# Altium PCB HIVE_BOARD_PCB ASCII REV Project_PCB_Rev.Project_SCH_Rev.PcbDoc (part 7 of 9)
Units mm, origin at the board's own origin, x right, y up, seen from the top; angles counter-clockwise.
Board outline 110 x 110 mm, 8 copper layers (Top, GND_1, Signal_1, GND_2, PWR, Signal_2, GND_3, Bottom), stack 1.6 mm thick; 674 components, 474 nets, 2528 pads, 2100 vias.
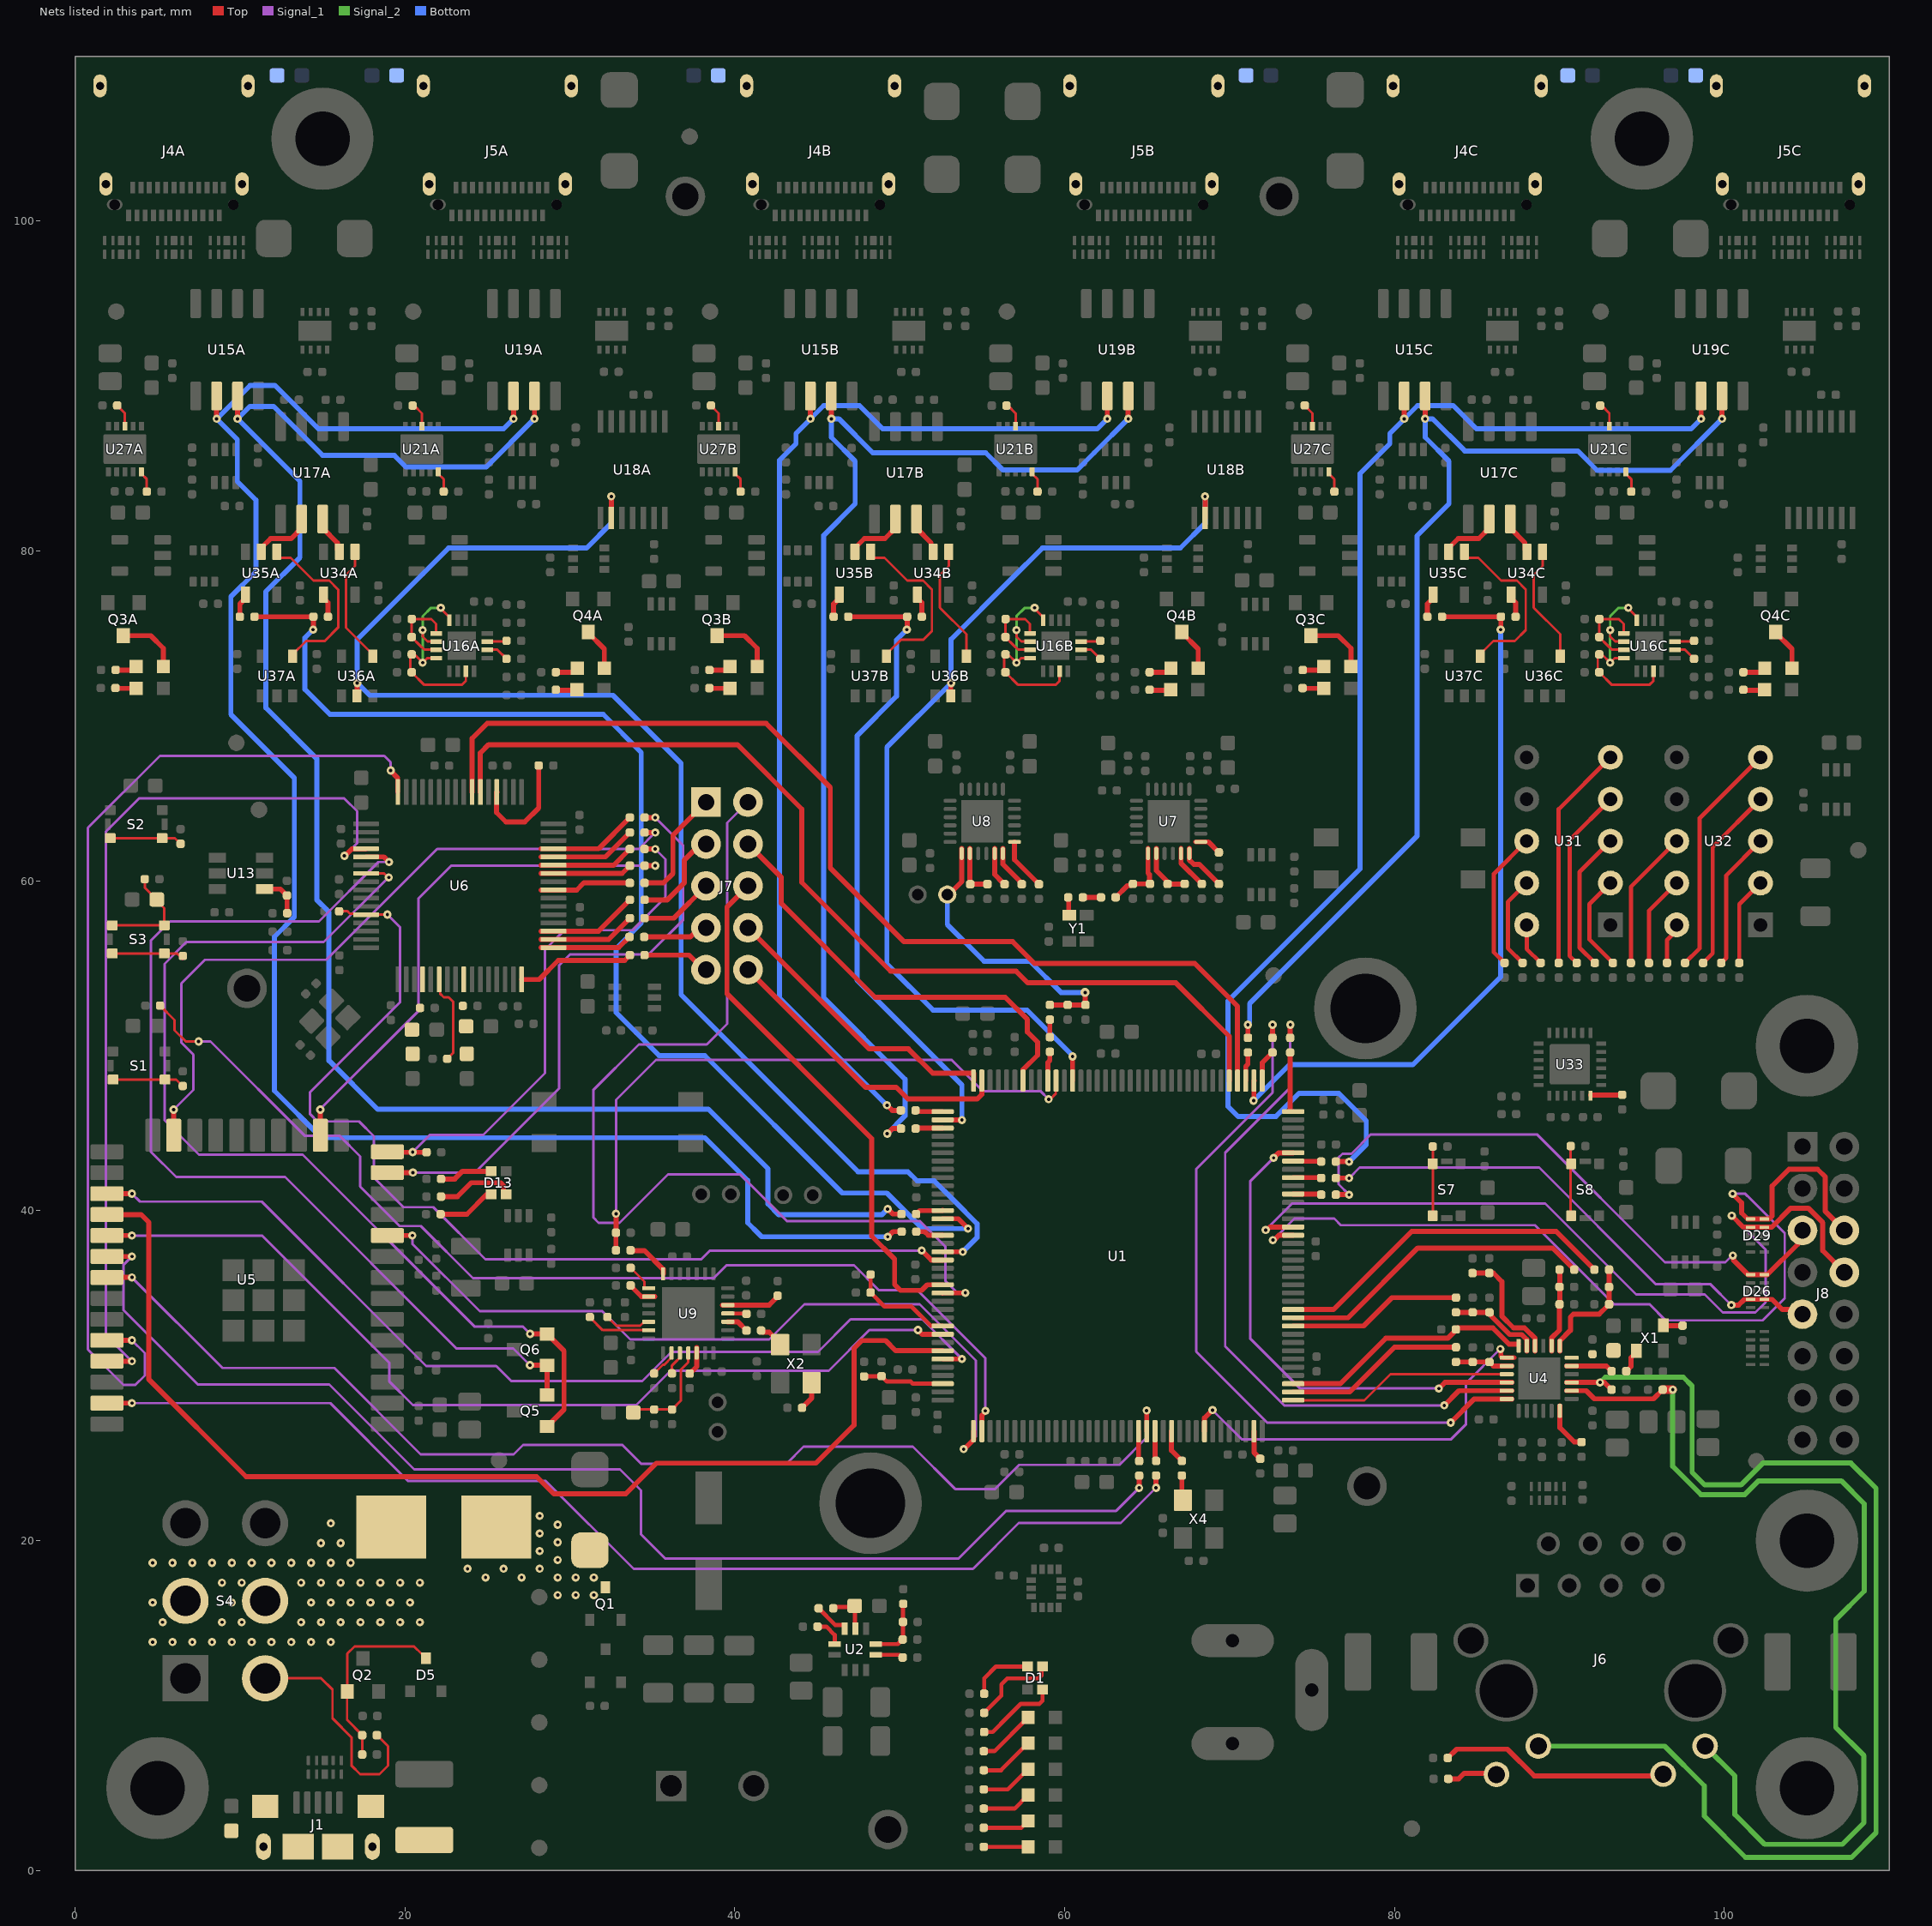
[diagram p13: the nets of this part, all layers, seen from the top]

## Via types
v1: diameter 0.5, hole 0.2, Top to Bottom, tented both sides, 1950 vias
v2: diameter 0.55, hole 0.2, Top to Bottom, tented both sides, 104 vias
v3: diameter 0.5, hole 0.2, Top to Bottom, 41 vias
v4: diameter 0.5, hole 0.2, Top to Bottom, tented bottom, 5 vias

## Nets (pads, with @x,y where several pads share a name; then routed paths per layer and width w, separated by ;. In a path a pad name is that pad's centre, name@x,y a point inside that pad or via, vN(x,y) a via of type N, cw(c..) or ccw(c..) an arc to the next point about the centre after c; other vN are vias at no path point) (continued)
MEZ_SPI_MOSI: D26.4 D26.7 J8.9 R173.2 | length 32.5
  Top w0.305: R173.2@76.441,41.986 v1@77.236,41.986 ; v1(100.416,34.284) 100.863,34.284 101.211,34.632 D26.4@101.582,34.632 D26.7@102.417,34.632 102.889,34.632 103.504,34.016 104.444,34.016 J8.9@104.73,33.73
  Signal_1 w0.152: v1(77.245,41.978) 77.885,42.618 88.766,42.618 95.84,35.544 99.156,35.544 v1(100.416,34.284)
MEZ_SPI_SCK: D26.1 D26.10 J8.5 R172.2 | length 37.4
  Top w0.305: R172.2@76.441,40.98 v1@77.236,40.98 ; v1(100.508,37.287) 100.555,37.24 100.555,37 101.423,36.132 D26.1@101.582,36.132 D26.10@102.417,36.132 102.603,36.132 104.444,37.972 104.444,38.524 J8.5@104.73,38.81
  Signal_1 w0.152: v1(77.245,40.971) 76.611,41.605 76.611,43.228 76.838,43.456 77.386,43.456 78.562,44.632 88.631,44.632 96.383,36.879 100.057,36.879 100.464,37.287 v1(100.508,37.287)
MEZ_UART_Rx: D29.1 D29.10 J8.6 U1.57 | length 57
  Top w0.305: v1(72.622,38.221) 72.688,38.221 72.979,38.512 73.849,38.512 U1.57@73.851,38.514 ; v1(100.498,41.028) 101.045,40.482 101.045,39.865 101.409,39.5 D29.1@101.582,39.5 D29.10@102.417,39.5 102.711,39.5 102.89,39.679 102.89,41.497 103.913,42.52 105.643,42.52 106.116,42.047 106.116,39.964 J8.6@107.27,38.81
  Signal_1 w0.152: v1(72.622,38.221) 73.923,39.522 76.341,39.522 76.736,39.127 88.514,39.127 93.3,34.341 95.446,34.341 96.432,33.355 102.313,33.355 103.563,34.605 103.652,34.694 103.652,38.638 101.556,40.734 101.262,41.028 v1(100.498,41.028)
MEZ_UART_Tx: D29.2 D29.9 J8.8 U1.58 | length 52
  Top w0.305: v1(72.185,38.835) 72.252,38.835 72.431,39.014 U1.58@73.851,39.014 ; v1(100.44,39.707) 101.147,39 D29.2@101.582,39 D29.9@102.417,39 102.856,39 104.015,40.16 105.076,40.16 105.961,39.275 105.961,37.579 J8.8@107.27,36.27
  Signal_1 w0.152: v1(72.185,38.835) 73.784,40.433 89.137,40.433 94.645,34.925 98.804,34.925 99.899,33.831 101.876,33.831 102.498,34.452 102.498,37.65 v1(100.44,39.707)
MODE0: R18.1 R53.1 R157.2 U4.8 | length 5.1
  Top w0.305: U4.8@89.519,31.496 89.519,32.293 89.999,32.773 R53.1@89.999,34.33 ; R53.1@90.013,34.33 90.013,35.384 R18.1@90.013,36.431
MODE1: R19.1 R58.1 R158.2 U4.7 | length 7.1
  Top w0.305: U4.7@90.019,31.496 90.019,32.107 90.663,32.751 90.663,33.553 90.841,33.731 92.403,33.731 92.901,34.229 92.905,34.229 R58.1@93.006,34.33 R158.2@93.004,35.379 93.004,36.429 R19.1@93.002,36.431
MODE2: R47.1 R60.1 R159.2 U4.11 | length 5.7
  Top w0.305: R47.1@83.721,33.845 R47.1@83.721,33.845 R159.2@85.752,33.843 R159.2@85.752,33.843 85.854,33.741 85.854,33.628 86.983,32.499 87.709,32.499 88.017,32.191 88.017,31.812 U4.11@88.019,31.809 U4.11@88.019,31.496
NetC4_1: C4.1 R8.1 S3.3 S3.4 | length 6.3
  Top w0.152: S3.4@2.258,57.305 S3.3@5.408,57.305 5.408,58.343 C4.1@4.992,58.759 ; R8.1@4.225,60.105 4.225,59.592 4.946,58.871 C4.1@4.959,58.871
NetC26_1: C26.1 R15.1 R26.2 U2.7 | length 3.9
  Top w0.254: U2.7@48.554,13.731 49.885,13.731 50.162,14.008 R15.1@50.176,14.008 50.194,14.026 50.194,16.152 R26.2@50.212,16.17
NetC37_1: C37.1 R24.2 U2.9 | length 2.8
  Top w0.254: R24.2@45.968,15.9 46.044,15.976 47.187,15.976 C37.1@47.263,16.052 47.283,16.032 47.283,14.676 U2.9@47.304,14.656
NetC47_2: C47.2 U9.9 | length 1.8
  Top w0.305: C47.2@33.623,35.473 33.724,35.372 33.767,35.372 34.341,34.798 U9.9@35.155,34.798
NetC48_2: C48.2 U9.25 | length 1.1
  Top w0.254: U9.25@39.579,33.778 39.85,33.778 39.855,33.773 40.68,33.773 C48.2@40.707,33.746
NetC54_2: C54.2 C56.2 U4.6
NetC80_1: C80.1 C81.2 L4.2 U6.4
NetC82_1: C82.1 C83.2 L6.2 U6.9
NetC86_1: C86.1 R7.2 R20.1 U9.18 | length 6.3
  Top w0.152: C86.1@33.844,27.765 34.032,27.952 R7.2@36.191,27.952 36.735,28.496 36.735,30.369 37.179,30.813 U9.18@37.179,31.377
NetC94_1: C94.1 R81.1 R84.2 U7.7 | length 4.5
  Top w0.305: C94.1@63.039,59.029 C94.1@63.09,58.978 ; C94.1@63.09,59.003 63.802,59.715 64.033,59.715 R81.1@64.135,59.817 R81.1@64.135,59.817 R84.2@65.171,59.819 ; U7.7@65.054,61.965 U7.7@65.054,61.663 65.054,60.473 65.136,60.391 R84.2@65.136,59.993
NetC94_2: C94.2 R82.1 | length 1.1
  Top w0.305: R82.1@61.099,59.003 61.112,58.991 62.188,58.991 C94.2@62.201,58.978
NetD1_1: D1.1 R1.1 | length 5
  Top w0.254: R1.1@55.119,8.399 55.633,8.399 56.556,9.322 57.345,10.111 58.477,10.111 58.656,10.289 D1.1@58.656,10.973
NetD1_2: D1.2 R2.1 | length 5.4
  Top w0.254: R2.1@55.119,9.56 56.159,10.6 56.159,11.287 56.52,11.648 58.409,11.648 58.583,11.822 58.583,12.301 D1.2@58.656,12.373
NetD1_4: D1.4 R3.1 | length 3.9
  Top w0.254: R3.1@55.119,10.721 55.119,11.657 55.836,12.373 D1.4@57.756,12.373
NetD3_1: D3.1 F1.2 Q1.3
  other v1: 29.263,16.697 30.356,16.697 31.45,16.697 24.888,17.765 27.076,17.765 29.263,17.765 30.356,17.765 31.45,17.765 23.795,18.299 25.982,18.299 28.169,18.299 29.263,18.833 28.169,19.367 29.263,19.9 28.169,20.434 29.263,20.968 28.169,21.502
NetD4_A: D4.A R11.2 | length 2.7
  Top w0.254: R11.2@55.095,1.435 D4.A@57.783,1.435
NetD5_3: D5.3 Q2.1 R13.1 R14.2 | length 11.7
  Top w0.152: R14.2@17.405,7.143 17.406,7.144 17.406,8.218 17.407,8.219 16.491,9.135 16.491,10.848 Q2.1@16.505,10.861 16.505,13.152 16.942,13.589 20.551,13.589 20.999,13.142 21.049,13.142 21.272,12.918 D5.3@21.272,12.868
NetD6_A: D6.A R25.1 | length 2.9
  Top w0.254: R25.1@55.093,2.596 57.372,2.596 D6.A@57.783,3.006
NetD13_1: D13.1 R40.1 | length 3
  Top w0.305: R40.1@22.192,41.928 23.023,41.928 23.49,42.395 D13.1@24.982,42.395
NetD13_2: D13.2 R46.1 | length 3.3
  Top w0.305: R46.1@22.166,39.792 23.754,39.792 24.957,40.995 D13.2@24.982,40.995
NetD13_4: D13.4 R63.1 | length 4.8
  Top w0.305: R63.1@22.192,40.86 23.183,40.86 24.022,41.699 25.803,41.699 25.981,41.521 25.981,41.154 D13.4@26.129,41.007
NetD14A_A: D14A.A R115A.1 | length 1.4
  Top w0.305: R115A.1@2.351,71.674 3.697,71.674 D14A.A@3.705,71.666 ; R115A.1@2.447,71.697 R115A.1@2.455,71.689
NetD14B_A: D14B.A R115B.1 | length 1.4
  Top w0.305: R115B.1@38.351,71.674 39.697,71.674 D14B.A@39.705,71.666 ; R115B.1@38.453,71.689 R115B.1@38.461,71.681
NetD14C_A: D14C.A R115C.1 | length 1.4
  Top w0.305: R115C.1@74.351,71.674 75.697,71.674 D14C.A@75.705,71.666 ; R115C.1@74.421,71.688 R115C.1@74.428,71.68
NetD17A_A: D17A.A R77A.1 | length 1.4
  Top w0.305: R77A.1@2.356,72.778 3.484,72.778 D17A.A@3.705,73
NetD17A_K: D17A.K Q3A.3 | length 3.8
  Top w0.305: Q3A.3@2.933,74.87 4.585,74.87 5.355,74.1 D17A.K@5.355,73
NetD17B_A: D17B.A R77B.1 | length 1.4
  Top w0.305: R77B.1@38.356,72.778 39.484,72.778 D17B.A@39.705,73
NetD17B_K: D17B.K Q3B.3 | length 3.8
  Top w0.305: Q3B.3@38.933,74.87 40.585,74.87 41.355,74.1 D17B.K@41.355,73
NetD17C_A: D17C.A R77C.1 | length 1.4
  Top w0.305: R77C.1@74.356,72.778 75.484,72.778 D17C.A@75.705,73
NetD17C_K: D17C.K Q3C.3 | length 3.8
  Top w0.305: Q3C.3@74.933,74.87 76.585,74.87 77.355,74.1 D17C.K@77.355,73
NetD19A_A: D19A.A R110A.1 | length 1.4
  Top w0.305: R110A.1@29.148,72.651 30.276,72.651 D19A.A@30.497,72.873
NetD19A_K: D19A.K Q4A.3 | length 2.6
  Top w0.305: Q4A.3@31.112,75.091 31.112,75.041 32.092,74.061 D19A.K@32.092,72.898
NetD19B_A: D19B.A R110B.1 | length 1.4
  Top w0.305: R110B.1@65.148,72.651 66.276,72.651 D19B.A@66.497,72.873
NetD19B_K: D19B.K Q4B.3 | length 2.6
  Top w0.305: Q4B.3@67.112,75.091 67.112,75.041 68.092,74.061 D19B.K@68.092,72.898
NetD19C_A: D19C.A R110C.1 | length 1.4
  Top w0.305: R110C.1@101.148,72.651 102.276,72.651 D19C.A@102.497,72.873
NetD19C_K: D19C.K Q4C.3 | length 2.6
  Top w0.305: Q4C.3@103.112,75.091 103.112,75.041 104.092,74.061 D19C.K@104.092,72.898
NetD20A_A: D20A.A R123A.1 | length 1.4
  Top w0.305: R123A.1@29.135,71.555 29.143,71.547 30.489,71.547 D20A.A@30.497,71.539
NetD20B_A: D20B.A R123B.1 | length 1.4
  Top w0.305: R123B.1@65.135,71.555 65.143,71.547 66.489,71.547 D20B.A@66.497,71.539
NetD20C_A: D20C.A R123C.1 | length 1.4
  Top w0.305: R123C.1@101.135,71.555 101.143,71.547 102.489,71.547 D20C.A@102.497,71.539
NetD22_A: D22.A R5.2 | length 3.4
  Top w0.254: R5.2@55.095,6.078 56.142,6.078 D22.A@57.783,7.719
NetD23_A: D23.A R23.2 | length 3.2
  Top w0.254: R23.2@55.095,4.917 56.552,4.917 D23.A@57.783,6.148
NetD24_A: D24.A R33.2 | length 3
  Top w0.254: R33.2@55.095,3.757 56.962,3.757 D24.A@57.783,4.577
NetD25_A: D25.A R129.2 | length 3.5
  Top w0.254: R129.2@55.095,7.239 55.736,7.239 D25.A@57.786,9.289
NetF1_1: F1.1 S4.2 S4.5
  other v1: 4.706,13.852 5.906,13.852 7.106,13.852 8.306,13.852 9.506,13.852 10.706,13.852 11.906,13.852 13.106,13.852 14.306,13.852 15.506,13.852 5.306,15.052 8.906,15.052 10.106,15.052 13.706,15.052 14.906,15.052 16.106,15.052 17.306,15.052 18.506,15.052 19.706,15.052 20.906,15.052 4.706,16.252 9.506,16.252 14.306,16.252 15.506,16.252 16.706,16.252 17.906,16.252 19.106,16.252 20.306,16.252 8.906,17.452 10.106,17.452 13.706,17.452 14.906,17.452 16.106,17.452 17.306,17.452 18.506,17.452 19.706,17.452 20.906,17.452 4.706,18.652 5.906,18.652 7.106,18.652 8.306,18.652 9.506,18.652 10.706,18.652 11.906,18.652 13.106,18.652 14.306,18.652 15.506,18.652 16.706,18.652 14.906,19.852 16.106,19.852 15.506,21.052
NetJ4A_1: J4A.1 J4A.2 J4A.3 J4A.4 R154A.2
NetJ4B_1: J4B.1 J4B.2 J4B.3 J4B.4 R154B.2
NetJ4C_1: J4C.1 J4C.2 J4C.3 J4C.4 R154C.2
NetJ5A_1: J5A.1 J5A.2 J5A.3 J5A.4 R155A.2
NetJ5B_1: J5B.1 J5B.2 J5B.3 J5B.4 R155B.2
NetJ5C_1: J5C.1 J5C.2 J5C.3 J5C.4 R155C.2
NetJ6_9: J6.9 R51.2 | length 3.1
  Top w0.305: R51.2@83.254,5.56 83.881,5.56 84.218,5.897 86.101,5.897 J6.9@86.175,5.824
NetJ6_11: J6.11 R49.2 | length 14
  Top w0.305: R49.2@83.223,6.824 83.761,7.362 86.842,7.362 88.46,5.744 96.185,5.744 J6.11@96.285,5.844
NetJ7_1: J7.1 R79.1 | length 7.1
  Top w0.305: R79.1@34.524,59.879 35.68,59.879 36.247,60.447 36.247,62.765 J7.1@38.259,64.777
NetJ7_2: J7.2 U1.131 | length 61
  Top w0.305: U1.131@52.599,35.012 U1.131@52.601,35.014 52.604,35.017 53.974,35.017 v1(53.98,35.023)
  Signal_1 w0.152: J7.2@40.799,64.777 39.541,63.519 39.541,51.331 38.298,50.088 34.183,50.088 31.415,47.32 31.415,39.6 31.745,39.271 33.016,39.271 35.953,42.207 40.333,42.207 43.175,39.365 51.228,39.365 52.761,37.833 52.761,35.759 53.476,35.043 53.96,35.043 v1(53.98,35.023)
NetJ7_3: J7.3 R54.1 | length 5.9
  Top w0.305: R54.1@34.528,58.851 35.906,58.851 36.929,59.874 36.929,61.252 37.914,62.237 J7.3@38.259,62.237
NetJ7_4: J7.4 U1.102 | length 26.6
  Top w0.305: J7.4@40.799,62.237 42.822,60.214 42.822,58.631 48.508,52.945 56.395,52.945 57.742,51.598 57.742,50.839 58.353,50.228 58.353,49.438 57.476,48.561 U1.102@57.476,47.889
NetJ7_5: J7.5 R37.1 | length 4.5
  Top w0.305: R37.1@34.528,57.741 36.303,57.741 J7.5@38.259,59.697
NetJ7_6: J7.6 U1.130 | length 32.1
  Top w0.305: J7.6@40.799,59.697 39.522,58.42 39.522,53.156 48.299,44.379 48.299,38.462 49.689,37.072 49.689,35.528 50.044,35.173 51.332,35.173 51.671,35.512 52.599,35.512 U1.130@52.601,35.514
NetJ7_7: J7.7 R32.1 | length 4
  Top w0.305: R32.1@34.503,56.601 37.299,56.601 37.854,57.157 J7.7@38.259,57.157
NetJ7_8: J7.8 U1.108 | length 17.8
  Top w0.305: J7.8@40.799,57.157 48.141,49.814 50.525,49.814 52.002,48.337 54.474,48.337 54.476,48.334 U1.108@54.476,47.889
NetJ7_9: J7.9 R31.1 | length 4.1
  Top w0.305: R31.1@34.528,55.502 37.224,55.502 38.11,54.617 J7.9@38.259,54.617
NetJ7_10: J7.10 U1.107 | length 18.4
  Top w0.305: J7.10@40.799,54.617 44.093,51.323 47.925,47.491 49.781,47.491 50.494,46.778 54.698,46.778 54.974,47.054 54.974,47.887 U1.107@54.976,47.889
NetQ5_1: Q5.1 Q6.2 U6.55 | length 61.8
  Top w0.152: U6.55@17.641,60.452 18.731,60.452 18.974,60.21 v1(19.02,60.21)
  Top w0.305: v1@27.592,32.529 Q6.2@28.623,32.529 28.673,32.529 28.921,32.281 28.921,32.231 29.649,31.503 29.649,27.948 28.921,27.22 28.921,27.17 28.673,26.923 Q5.1@28.623,26.923
  Signal_1 w0.152: v1@18.997,60.21 15.075,56.289 6.749,56.289 5.427,54.966 5.427,45.482 7.508,43.4 13.801,43.4 24.214,32.987 27.134,32.987 v1(27.587,32.534)
NetQ5_2: Q5.2 Q6.1 U6.53 | length 61.9
  Top w0.305: U6.53@17.641,61.452 18.723,61.452 v1(19.032,61.143) ; v1(27.582,30.638) 27.587,30.634 28.619,30.634 Q6.1@28.623,30.629 Q5.2@28.623,28.823
  Signal_1 w0.152: v1(19.032,61.143) 18.387,61.143 14.791,57.547 5.764,57.547 4.59,56.372 4.59,43.588 6.134,42.044 12.731,42.044 23.122,31.653 26.568,31.653 v1(27.582,30.638)
NetR4_2: R4.2 U9.17 | length 1.4
  Top w0.152: R4.2@36.191,30.141 36.191,30.623 36.406,30.838 ; 36.406,30.838 36.671,31.102 U9.17@36.671,31.377
NetR6_2: R6.2 U9.13 | length 3.9
  Top w0.152: R6.2@31.215,33.536 31.989,32.762 U9.13@34.778,32.762
NetR9_2: R9.2 S3.1 S3.2 | length 4.4
  Top w0.152: S3.2@2.258,55.605 S3.1@5.408,55.605 6.182,55.605 R9.2@6.523,55.264
NetR13_2: R13.2 S4.4 | length 14.2
  Top w0.152: S4.4@11.522,11.653 14.923,11.653 15.609,10.968 15.609,9.228 16.755,8.081 16.755,6.369 17.282,5.842 18.456,5.842 18.978,6.364 18.978,7.537 R13.2@18.296,8.219
NetR16_1: R16.1 U9.7 | length 2.7
  Top w0.305: R16.1@33.671,37.582 34.526,37.582 35.655,36.453 U9.7@35.655,36.178
NetR16_2: R16.2 R17.1 U1.98 | length 38.7
  Top w0.152: v1(59.03,46.761) 59.123,46.761 59.464,47.102 59.464,47.877 U1.98@59.476,47.889
  Top w0.305: R16.2@32.782,37.582 32.789,37.588 32.789,38.667 R17.1@32.795,38.674 32.797,38.676 32.797,39.821 v1(32.799,39.823)
  Signal_1 w0.152: v1(32.799,39.823) 32.799,46.728 35.216,49.145 53.148,49.145 55.032,47.26 58.531,47.26 v1(59.03,46.761)
NetR18_2: R18.2 U1.47 | length 19.3
  Top w0.305: U1.47@73.851,33.514 77.18,33.514 81.408,37.743 89.581,37.743 R18.2@90.892,36.431
NetR19_2: R19.2 U1.48 | length 21.2
  Top w0.305: U1.48@73.851,34.014 76.302,34.014 81.036,38.749 89.796,38.749 R19.2@92.113,36.431
NetR21_1: R21.1 U2.1 | length 1.8
  Top w0.254: R21.1@45.018,14.787 45.552,14.787 46.054,14.285 U2.1@46.054,13.731
NetR22_2: R22.2 U2.6 | length 1.7
  Top w0.254: U2.6@48.554,13.081 49.996,13.081 50.162,12.915 R22.2@50.176,12.915
NetR24_1: R24.1 U2.10 | length 2.2
  Top w0.254: R24.1@45.079,15.9 46.098,14.881 46.606,14.881 46.654,14.833 U2.10@46.654,14.656
NetR29_2: R29.2 X2.1 | length 1.8
  Top w0.305: R29.2@44.079,28.058 44.651,28.63 X2.1@44.651,29.576
NetR31_2: R31.2 U6.16 | length 7.2
  Top w0.305: U6.16@27.071,54.022 28.139,54.022 29.299,55.183 33.319,55.183 R31.2@33.639,55.502
NetR32_2: R32.2 U6.17 | length 5.6
  Top w0.305: U6.17@28.242,55.952 U6.17@28.989,55.952 ; U6.17@29.001,55.952 32.965,55.952 R32.2@33.614,56.601
NetR34_1: R34.1 U9.16 | length 1.7
  Top w0.152: R34.1@35.109,30.139 35.642,30.672 35.732,30.672 36.163,31.102 U9.16@36.163,31.377
NetR35_2: R35.2 U9.8 | length 1.8
  Top w0.152: R35.2@33.684,36.54 34.517,35.707 34.517,35.35 34.566,35.302 U9.8@34.778,35.302
NetR36_2: R36.2 U9.12 | length 2.8
  Top w0.152: R36.2@32.276,33.558 32.801,33.033 34.266,33.033 34.503,33.27 U9.12@34.778,33.27
NetR37_2: R37.2 U6.18 | length 5.9
  Top w0.305: U6.18@28.242,56.452 U6.18@28.989,56.452 ; U6.18@29.001,56.452 32.35,56.452 R37.2@33.639,57.741
NetR38_2: R38.2 U1.2 | length 65.5
  Top w0.152: R38.2@5.156,52.439 6.034,51.561 6.034,50.945 6.716,50.263 v1(7.49,50.263)
  Top w0.305: U1.2@54.976,26.639 54.979,26.642 54.979,27.593 55.192,27.806 v1(55.192,27.873)
  Signal_1 w0.152: v1(7.49,50.263) 8.209,50.263 13.918,44.555 16.025,44.555 17.285,43.295 17.285,41.468 19.678,39.075 20.965,39.075 24.129,35.912 38.717,35.912 39.494,36.69 47.231,36.69 48.742,35.179 51.079,35.179 55.192,31.066 v1(55.192,27.873)
NetR39_2: R39.2 S1.1 S1.2 | length 4.4
  Top w0.152: S1.2@2.305,47.955 S1.1@5.455,47.955 6.139,47.955 R39.2@6.53,47.565
NetR45_1: R45.1 U1.39 U4.12 | length 15.5
  Top w0.305: U1.39@73.851,29.514 76.711,29.514 79.464,32.268 83.228,32.268 83.742,32.783 83.742,32.817 83.819,32.893 85.96,32.893 86.938,31.915 U4.12@87.492,31.915
NetR47_2: R47.2 U1.46 | length 10.6
  Top w0.305: U1.46@73.851,33.014 78.125,33.014 79.845,34.734 R47.2@83.721,34.734
NetR48_2: R48.2 U1.38 | length 11
  Top w0.305: U1.38@73.851,29.014 77.284,29.014 79.996,31.726 R48.2@83.721,31.726
NetR50_2: R50.2 U4.24 | length 3
  Top w0.305: U4.24@90.019,28.186 90.019,26.851 90.888,25.983 91.233,25.983 91.242,25.974 R50.2@91.335,25.974
NetR52_2: R52.2 U9.26 | length 3.6
  Top w0.305: U9.26@39.25,34.286 U9.26@39.579,34.286 42.081,34.286 42.494,34.699 42.494,34.746 R52.2@42.596,34.848
NetR54_2: R54.2 U6.19 | length 6.2
  Top w0.305: U6.19@28.242,56.952 U6.19@28.989,56.952 ; U6.19@29.001,56.952 31.74,56.952 31.862,57.074 R54.2@33.639,58.851
NetR55_1: R55.1 U5.16 | length 32.6
  Top w0.305: U5.16@14.877,44.579 v1@14.877,46.124 ; R55.1@34.524,60.922 v1(35.176,60.922)
  Signal_1 w0.152: v1(14.87,46.131) 14.87,46.168 20.828,52.127 20.828,58.946 22.804,60.922 v1(35.176,60.922)
NetR55_2: R55.2 U6.26 | length 5.6
  Top w0.305: U6.26@28.242,60.452 U6.26@28.989,60.452 ; U6.26@29.001,60.452 33.166,60.452 R55.2@33.635,60.922
NetR56_1: R56.1 R59.2 U5.14 | length 32.3
  Top w0.305: U5.14@18.932,43.579 18.964,43.546 R59.2@21.308,43.546 ; R59.2@21.311,43.546 R59.2@21.308,43.546 ; R59.2@21.311,43.55 R59.2@21.308,43.546 ; R56.1@34.524,61.933 v1(35.176,61.933)
  Signal_1 w0.152: v1(20.466,43.558) 21.511,44.602 24.745,44.602 28.487,48.344 28.487,55.824 29.674,57.011 33.804,57.011 35.799,59.007 35.799,61.31 v1(35.176,61.933)
NetR56_2: R56.2 U6.27 | length 5.8
  Top w0.305: U6.27@28.242,60.952 U6.27@28.989,60.952 ; U6.27@29.001,60.952 32.655,60.952 R56.2@33.635,61.933
NetR57_1: R57.1 U5.23 | length 43.2
  Top w0.305: U5.23@5.987,44.579 v1@5.987,46.124 ; R57.1@34.524,62.933 v1(35.176,62.933)
  Signal_1 w0.152: v1(5.98,46.131) 7.176,47.327 7.176,49.468 6.446,50.199 6.446,53.782 7.881,55.217 15.238,55.217 21.954,61.933 34.175,61.933 v1(35.176,62.933)
NetR57_2: R57.2 U6.28 | length 6
  Top w0.305: U6.28@28.242,61.452 U6.28@28.989,61.452 ; U6.28@29.001,61.452 32.154,61.452 R57.2@33.635,62.933
NetR61_2: R61.2 X1.1 | length 1.2
  Top w0.305: X1.1@96.272,33.011 96.284,33.023 97.446,33.023 R61.2@97.458,33.035
NetR62_1: R62.1 U5.13 | length 36.2
  Top w0.305: U5.13@18.925,42.302 U5.13@18.932,42.309 v1@20.477,42.309 ; R62.1@34.524,63.843 v1(35.176,63.843)
  Signal_1 w0.152: v1(20.484,42.316) 24.24,42.316 29.356,47.432 29.356,54.89 30.005,55.539 34.773,55.539 36.872,57.638 36.872,62.146 v1(35.176,63.843)
NetR62_2: R62.2 U6.29 | length 6.2
  Top w0.305: U6.29@28.242,61.952 U6.29@28.989,61.952 ; U6.29@29.001,61.952 31.745,61.952 R62.2@33.635,63.843
NetR65_1: R65.1 U1.127 U6.60 | length 61.6
  Top w0.152: R65.1@16.009,58.155 16.022,58.168 16.516,58.168 16.667,58.016 17.578,58.016 U6.60@17.641,57.952 17.646,57.957 18.933,57.957 v1(18.938,57.962)